# KiCad board OEM_ECU.kicad_pcb (continued)
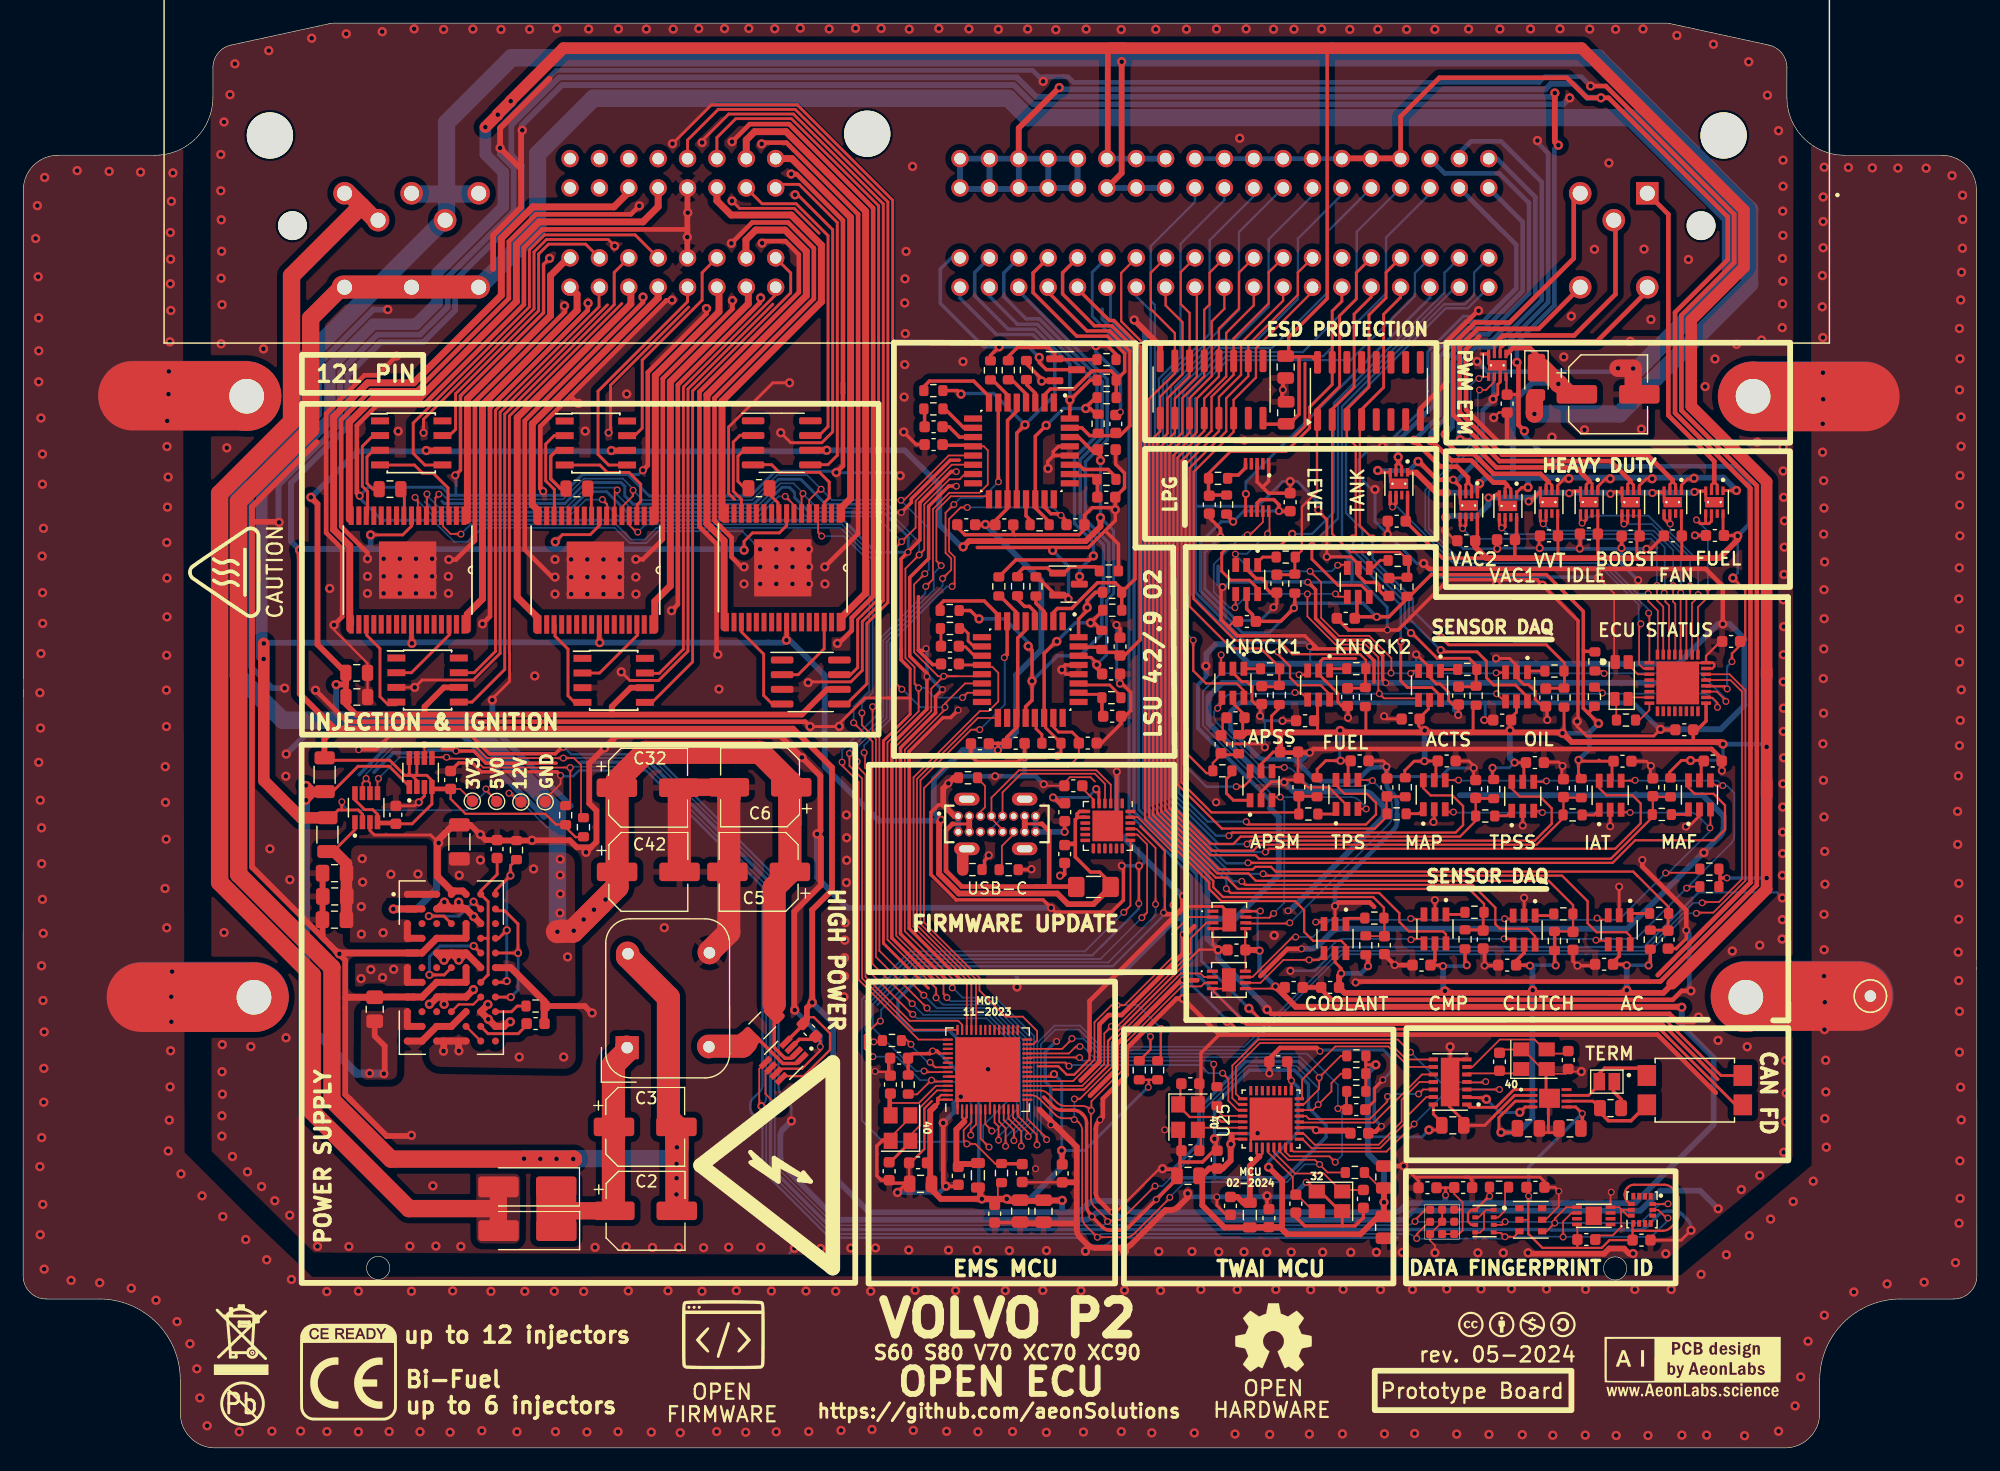
[diagram p0: board, top side]
## Routing (per net, layer and track width the routed paths; a pad name or vN(x,y) marks a point on that pad's centre or on a via; arc(x,y) is an arc through that point) (continued)
  Top w0.3: USB_PLYG_R2.2 83.13,50.24 83.13,50.82 83.5,51.19 v2(83.5,51.26) 83.59,51.26 83.52,51.19 ; v1(107.56,21.8) 107.56,20.8 107.71,20.65 ; v3(75.94,80.92) 76.8,81.78 76.8,82.08 80.16,85.44 80.94,85.44 ; 85.74,78.99 91.31,78.99 91.77,79.46 CJC15.1 91.77,80.67 92.44,81.33 94.27,81.33 v1(94.44,81.16) ; 85.74,78.99 85.62,79.11 CJC12.1 ; 85.74,78.99 81.44,78.99 80.93,79.5 80.93,79.85 ; FUEL_LPG_C1.1 102.57,80.48 103.53,79.51 v2(103.53,78.81) ; v3(80.7,84.45) 80.69,84.46 80.24,84.46 77.55,81.77 77.55,78.54 75.92,76.91 75.92,69.02 ; 82.5,77.89 92.11,77.89 94.44,80.21 v1(94.44,81.16) ; 46.58,60.6 46.03,60.05 40.31,60.05 38.81,61.54 31.64,61.54 30.49,60.39 v3(29.01,60.39) ; 87.31,19.41 87.03,19.41 86.96,19.48 S3P2_C1.2 ; 124.77,33.6 123.67,33.6 ; 75.92,69.02 75.92,68.18 76.5,67.59 ; 75.92,69.02 75.92,68.54 ; FUEL_LPG_C2.1 107.69,82.59 107.17,83.1 ; v2(138.21,77.84) 138.23,77.86 ETMDRV_C4.2 ; AC_C1.1 142.93,43.19 143.81,44.07 v2(143.81,44.77) ; 103.73,74.3 103.58,74.15 103.58,71.63 104.96,70.25 110.83,70.25 111.96,69.12 ; 116.81,66.21 116.81,68.1 115.8,69.12 111.45,69.12 v3(111.25,69.31) ; CLU_C3.1 134.02,42.09 v2(134.4,41.71) 135.81,41.71 AC_C2.1 ; CJC1.1 94.85,70.88 v2(94.54,71.19) ; 91.27,66.93 90.18,66.93 89.94,67.16 89.94,67.19 v1(89.82,67.31) 89.94,67.43 89.94,67.55 90.12,67.73 U28.29 ; 90.59,73.51 90.48,73.51 v2(90.39,73.42) 90.39,73.71 90.33,73.77 CJQ1.2 89.28,73.77 87.71,75.34 CJR2.1 ; v3(46.47,58.17) 46.17,58.48 39.62,58.48 38.85,59.25 37.66,59.25 INA1_C5.1 ; v1(59.09,98.56) 58.95,98.71 58.88,98.71 ; INA1.3 67.12,35.34 68.28,35.34 INA1_C1.1 ; v1(94.44,81.16) CJC14.1 95.17,82.98 95.17,82.98 95.24,83.05 95.24,84.32 94.47,85.09 CJC13.1 ; 79.89,22.67 79.8,22.76 v1(79.8,22.64) 79.92,22.64 79.92,22.63 81.09,22.63 ; 89.11,85.84 U12.28 ; 89.11,85.84 89.07,85.88 89.07,86.18 89.53,86.64 U12.29 ; 89.11,85.84 88.59,85.32 v1(88.62,84.71) 88.59,84.85 ; 126.37,42.88 v2(126.37,41.72) ; v2(126.37,41.72) 127.51,41.72 CLU_C4.1 ; v2(126.37,41.72) 126.37,43.08 CRA_C3.1 126.35,43.1 ; 93.56,79.34 94.71,78.19 CJR10.2 ; 144.61,78.94 144.56,78.99 v2(144.56,78.94) 144.61,78.94 ; 144.61,78.94 144.62,78.93 145.52,78.93 ; ETMDRV_C5.2 140.75,77.77 v2(140.37,77.77) ; 81.08,40.47 76.62,44.94 76.62,59.65 ; 107.17,83.1 107.7,83.63 U2.1 ; 107.17,83.1 106.7,83.57 U2.3 ; 76.62,59.65 76.62,59.39 ; 76.62,59.65 76.62,60.25 79.54,63.17 80.2,63.17 v3(80.85,63.82) ; 90.07,49.61 89.77,49.61 v2(89.66,49.5) 89.95,49.5 90.06,49.62 CHC1.2 ; 93.8,53.81 94.55,54.56 94.55,58.47 v2(94.57,58.49) ; 118.23,73.7 117.75,73.7 117.27,74.18 117.27,74.6 117,74.87 116.06,74.87 115.45,75.48 115.45,76.13 ; v1(45.52,102.9) 45,102.38 45,98.19 37.82,91.01 37.82,84.58 v2(37.37,84.13) ; 78.07,69.15 77.91,68.99 77.42,68.99 ; 74.69,26.62 74.33,26.62 73.82,26.11 73.82,23.54 74.2,23.16 S3_XTAL40_C1.2 74.88,23 74.86,22.98 ; v2(95,50.36) 95.14,50.22 95.14,47.38 94.11,46.35 89.25,46.35 v2(88.88,46.72) 88.2,47.41 80.68,47.41 78.5,49.59 78.5,54.97 79.15,55.62 79.56,55.62 ; USB_PLUG_R4.2 86.96,50.02 87,50.06 v2(87.19,50.06) 87.19,50.25 87.12,50.18 ; CJR18.1 86.75,93.78 87.97,92.56 87.97,92.34 ; 100.05,24.73 101.98,24.73 103.17,25.92 103.17,26.58 v1(103.01,26.73) ; 110.06,20.35 110.06,19.95 110.81,19.2 115.18,19.2 115.89,19.91 C3XTAL32_C1.2 ; 134.58,62.76 134.45,62.76 v1(134.37,62.84) 134.45,62.92 134.45,71.56 130.92,75.09 123.23,75.09 118.89,70.75 v3(117.96,70.75) 114.6,70.75 KNOCK2_C2.1 ; 79.19,67.76 78.65,67.76 77.42,68.99 ; CJR21.2 94.51,94.6 93.76,95.34 v1(92.76,95.34) ; v3(117.83,66.18) 117.56,66.45 117.56,68.54 116.24,69.87 113.63,69.87 111.76,71.74 111.76,74.24 111.08,74.92 ; 87.97,92.34 87.97,92.28 ; 87.97,92.34 88.61,92.34 88.62,92.35 ; v1(75.61,22.09) 76.35,22.83 76.39,22.83 ; KNOCK1_C1.1 107.86,73.98 107.47,74.37 107.47,74.86 107.13,75.2 106.61,75.2 105.8,76.01 KNOCK1_SENSE1.2 ; v1(76.14,87.88) 76.14,87.87 77.22,86.79 CJC16.1 ; v1(103.33,43.08) 103.34,43.07 INA1_C13.1 ; 77.42,68.99 77.42,73.64 ; 90.07,53.35 v2(90.06,53.29) 90.07,54.18 ; v3(80.7,83.19) 80.69,83.2 80.04,83.2 78.3,81.46 78.3,76.93 76.67,75.3 76.67,68.49 78.15,67 78.15,63.9 75.12,60.87 75.12,44.12 78.92,40.31 ; v1(98.52,24.15) 98.59,24.08 99.73,24.08 ; 100.05,27.26 100.05,23.77 99.78,23.5 ; ETMDRV_C9.2 118,79.04 v2(117.99,79.03) ; v3(94.88,89.6) 94.88,89.52 94.48,89.12 ; CJC5.1 94.85,66.28 95.77,65.36 95.77,63.77 95.29,63.29 CJC6.1 94.94,62.66 93.25,60.97 CJC7.1 ; 74.85,33.53 74.85,32.11 ; R6.2 46.46,82.99 45.61,83.83 45.61,85.77 46.14,86.29 U4.3 ; v3(79.49,65.6) 78.9,65.01 78.9,63.59 75.87,60.56 75.87,44.47 79.85,40.49 ; 134.58,78.06 134.6,78.04 v2(134.6,77.79) 134.64,77.83 134.64,78.87 ; 103.43,35.75 101.85,34.17 101.85,29.71 ; CJC3.1 86.6,59.95 86.59,59.94 v2(86.59,59.74) 86.39,59.74 85.98,59.33 82.49,59.33 81.96,59.87 81.96,60.92 ; 76.24,22.9 74.98,22.9 ; 36.24,60.47 37.25,60.47 v3(37.43,60.28) 38.97,60.28 40.02,59.23 46.09,59.23 ; 146.53,31.89 141.78,36.65 105.78,36.65 v3(105.46,36.96) ; C3P32_C1.1 99.78,23.28 v3(97.98,21.49) 95.61,19.12 arc(95.29,18.9) 94.91,18.82 94.01,18.82 arc(93.63,18.9) 93.31,19.12 v3(92.42,20) 92.42,20.08 92.25,20.25 arc(92.03,20.58) 91.96,20.96 91.96,28.09 arc(91.88,28.48) 91.66,28.8 91.54,28.92 arc(91.22,29.14) 90.84,29.21 89.8,29.21 arc(89.42,29.29) 89.1,29.51 88.25,30.35
  Top w0.35: 109.43,92.49 109.37,92.55 SP_C2.2 108.93,92.31 v2(108.93,91.53) 108.87,91.47 108.87,90.83 SP_C1.2
  Top w0.4: 70.89,91.27 70.89,106.18 66.87,110.2 v1(66.41,110.2) ; 70.89,91.27 70.89,84.96 v1(70.31,84.38) ; 70.89,91.27 70.89,92.12 ; 101.27,45.12 100.55,44.4 v3(100.31,44.4) 100.31,42.77 98.69,41.15 98.69,41.15 94.99,37.44 93.86,37.44 93.06,36.64 93.06,33.39 91.46,31.79 91.45,31.79 ; 125.9,96.14 124.77,95.01 124.77,89.81 127.57,87.01 131.57,87.01 ; 131.57,87.01 128.16,87.01 128.32,87.17 ETMDRV_C1.2 ; 131.57,87.01 131.83,87.01 132.2,87.38 v1(132.2,87.43) 132.25,87.43 132.16,87.34 ; v1(144.87,37.27) 144.43,36.83 143.07,36.83 142.36,37.55 107.93,37.55 v1(107.56,37.91) ; 68.15,62.5 v1(68.05,62.4) 67.64,62.82 28.01,62.82 v1(25.28,65.55) ; 47.33,90.98 47.95,90.36 v1(48.01,90.36) 48.03,90.33 ; 92.25,30.46 94.56,32.77 94.56,34.89 100.12,40.45 101.53,40.45 ; 146.36,30.72 141.33,35.75 103.43,35.75 v1(100.3,38.87) 99.74,38.87 95.41,34.54 95.41,32.25 93.36,30.2 93.36,28.62 v3(93.12,28.38) ; 100.24,46.67 98.97,45.4 ; 100.24,46.67 100.24,47.65 v2(100.3,47.71) ; 100.24,46.67 99.73,46.16 98.75,46.16 v3(98.61,46.3) ; 57.47,105.91 57.47,105.41 44.89,105.41 43.3,103.82 43.3,98.9 34.59,90.19 30.6,90.19 28.86,88.45 28.86,82.61 v2(29.1,82.36) ; SP2.8 120.82,89.91 123.12,92.21 123.12,95.7 125.79,98.37 v1(125.85,98.37) ; 48.82,99.04 v1(48.85,99.02) 48.82,98.41 40.37,89.96 40.37,71.93 v1(39.72,71.28) ; 117.73,42.64 118.61,41.76 CRA_C4.1 ; v2(143.81,44.77) 143.81,46.5 140.01,50.3 v2(140.01,50.85) ; v2(44.97,82.75) 44.71,83.01 44.71,88.36 55.63,99.27 56.1,99.27 v1(56.11,99.29) 56.06,99.27 56.08,99.27 ; v1(32.29,94.46) 30.62,92.79 29.52,92.79 26.2,89.47 26.2,79.16 27.58,77.78 27.58,71.89 v1(26.88,71.19) ; v2(113.44,46.87) 113.75,47.18 116.44,47.18 116.82,46.8 ; v1(63.86,112.8) 63.97,112.91 66,112.91 72.2,106.71 72.2,79.09 v1(69.32,76.21) ; v1(56.07,72.42) 56.61,72.97 56.61,91.96 63.71,99.06 v1(63.77,99.48) 63.71,99.37 ; 117.48,27.89 116.94,27.35 116.45,27.35 C3P11_C1.2 ; 108.85,60.28 108.99,60.14 v2(111.25,60.14) 111.57,60.46 146,60.46 146.88,59.59 MAF_C4.1 146.88,58.6 v2(146.89,58.58) ; v1(62.34,76.21) 62.11,76.21 61.26,77.06 61.26,78.74 59.78,80.22 59.78,90.82 68.38,99.41 68.38,103.78 66.15,106 63.04,106 v1(61.24,104.2) ; INA1_C2.1 112.24,39.83 112.24,39.68 113.16,38.76 142.64,38.76 143.42,39.54 v1(144.21,39.54) ; 136.24,76.04 145.47,76.04 146.97,74.54 v1(146.97,71.27) ; 136.24,76.04 136.24,75.27 v1(136.24,75.27) ; 136.24,76.04 121.57,76.04 v1(121.1,76.51) ; v1(59.09,98.56) 59.09,98.12 54.01,93.04 54.01,85 v2(53.59,84.57) ; v1(52.98,76.87) 53.59,76.87 55.31,78.59 55.31,92.5 61.33,98.52 v1(61.33,99.25) ; 107.76,32.25 C3P17_C1.2 107.76,33.67 108.69,34.6 111.85,34.6 v3(112.14,34.31) ; v1(79.8,22.64) 79.56,22.87 v1(79.56,28.11) ; 29.78,77.43 27.5,79.7 27.5,88.93 30.06,91.49 34.05,91.49 42,99.44 42,104.36 44.35,106.71 52.55,106.71 v1(53.28,107.44) ; 99.17,45.6 98.85,45.28 98.65,45.09 92.21,38.65 92.21,34.32 ; 46.85,98.96 46.85,98.83 v1(46.81,98.79) 46.85,98.75 46.85,98.28 39.07,90.49 39.07,78.49 37.42,76.84 v1(36.81,76.84) ; v1(135.54,117.81) 136.85,117.81 147.95,106.71 147.95,102.54 143.39,97.98 143.39,89.75 149.91,83.23 149.91,48.68 141.57,40.34 115.3,40.34 v2(115.22,40.26) ; v1(119.38,24.38) C3_C1.2 ; v1(70.41,69.59) 70.53,69.59 71.65,70.71 71.65,71.81 73.5,73.66 73.5,107.25 66.24,114.51 62.82,114.51 v1(61.3,112.99) ; v1(53.6,99.55) 53.6,99.09 43.37,88.86 43.37,77.7 45.74,75.33 v1(45.99,75.33) ; 106.98,40.81 109.34,43.17 v3(110.54,43.17) ; v1(63.9,104.22) 64.07,104.39 65.92,104.39 67.08,103.24 67.08,99.95 58.48,91.35 58.48,79.68 59.96,78.2 59.96,68.75 v1(60.07,68.64) ; v3(94.21,20.39) 94.04,20.39 93.05,21.38 arc(92.83,21.71) 92.76,22.09 92.76,27.6 arc(92.83,27.99) 93.05,28.31
  Top w0.5: 90.6,26.55 89.21,27.94 v3(88.86,27.94) ; 90.6,26.55 91.11,26.04 91.11,18.91 arc(91.18,18.53) 91.4,18.2 92.01,17.6 arc(92.33,17.38) 92.71,17.3 95.1,17.3 arc(95.48,17.38) 95.8,17.6 98.77,20.56 99.19,20.56 arc(99.57,20.64) 99.89,20.86 100.7,21.66 v1(100.7,22.01) ; 90.6,26.55 87.89,29.26 ; 57.63,108.49 57.67,108.53 57.63,108.57 ; 25.39,87 19.79,81.4 19.79,80.11 ; 66.73,37.86 v1(66.72,37.87) 66.68,37.91 66.68,46.38 68.98,48.68 68.98,52.78 v1(68.65,53.11) 68.94,53.4 68.94,58.13 66.32,60.74 ; 19.79,80.11 22.08,80.11 v1(22.13,80.06) ; 19.79,80.11 19.79,50.25 26.14,43.89 ; 33.5,26.98 33.56,26.98 v1(33.58,27.04) 33.44,26.98 31.44,26.98 28.21,30.21 ; 45.51,118.44 41.24,114.16 v1(41.24,112.45) 43.06,110.63 43.06,109.9 ; 91.11,19.43 91.08,19.41 86.28,19.41 ; SP1.8 98.32,95.32 v1(96.07,97.57) ; 26.14,43.89 26.49,43.54 ; 26.14,43.89 25.93,44.11 ; 49.1,51.95 49.57,52.42 49.57,55.13 48.95,55.75 48.95,59.23 51.02,61.29 ; 49.1,51.95 v1(48.67,51.52) ; 49.1,51.95 47.88,51.95 47.27,52.56 v1(44.01,52.56) 43.99,52.54 MPR8.2 41.02,52.54 40.98,52.58 40,52.58 39.54,53.03 v1(39.54,53.06) 39.51,53.06 38.68,53.9 LTM_C1.1 ; 57.44,106.82 57.44,108.86 ; LTM_C7.2 25.89,44.39 25.77,44.27 ; USB_PLUG_R3.2 80.49,57.97 79.56,57.04 79.56,55.62 80.53,54.66 80.85,54.66 ; 49.16,37.62 48.56,38.22 MPR7.2 ; 49.16,37.62 49.2,37.58 v1(49.2,37.62) 49.16,37.62 ; 26.49,43.54 27.3,42.74 v1(27.35,42.74) ; 26.49,43.54 27.85,42.19 27.85,30.57 28.21,30.21 ; 66.32,60.74 65.5,61.57 51.29,61.57 51.02,61.29 ; 66.32,60.74 v1(67.34,59.73) ; 43.06,109.9 43.06,107.33 40.64,104.91 40.64,101.99 ; 43.06,109.9 43.06,113.88 v1(43.16,113.98) ; 51.02,61.29 v1(50.28,60.55) ; 91.11,23.02 91.06,22.97 S3P20_C1.2 ; 91.11,19.69 91.11,19.06 ; 28.21,30.21 28.54,29.88 ; 57.43,102.88 v1(57.43,104.74) 57.43,106.81 ; v1(139.21,16.81) 138.86,16.81 138.43,17.24 137.15,17.24 136.7,16.8 130.22,16.8 v1(130.14,16.88)
  Top w0.6: 34.05,42.81 27.23,42.81 27.06,42.97 ; 34.05,42.81 U24.E2 U24.D3 ; 34.05,42.81 U24.E1 ; U24.H1 U24.H2 U24.G3 U24.G5 ; U24.F5 38.3,40.29 ; U24.L1 U24.L2 U24.K3 U24.K4 U24.J5 ; U24.F7 42.16,41.54 45.06,38.65 45.06,36.71 ; U24.B1 33.92,46.62 ; 33.92,46.62 32.29,46.62 32.3,46.61 v1(32.01,46.61) ; 33.92,46.62 U24.B2 ; 33.78,39 30.4,39 ; LTM_C3.2 27.94,38.98 27.9,38.94 ; 35.78,44.08 38.28,44.08 ; U24.A5 38.02,48.17 37.31,48.17 U24.A4 37.03,48.22 35.82,49.43 35.82,52.51 37.21,53.9 LTM_C1.1 ; 38.3,45.36 38.3,44.13
  Top w1.5: C6.2 56.78,57.15
  Top w2: 56.76,56.26 56.75,56.27 ; 56.74,50.19 56.74,56.62 ; 61.05,56.32 61.02,56.29 61.02,44.59 59.31,42.88
  Bottom w0.15: 35.43,80.24 37.29,78.39 38.46,78.39 39.66,79.59 51.15,79.59 52.46,78.28 53.89,78.28 54.9,79.29 62.18,79.29 v1(63.73,77.74) ; v2(29.1,82.36) 29.1,82.18
  Bottom w0.2: v2(107.37,60.6) 107.37,62.9 v2(106.96,63.31) ; 65.33,34.3 65.33,31.13 arc(65.39,30.85) 65.55,30.6 66.21,29.94 arc(66.37,29.7) 66.43,29.41 v1(66.43,28.28) ; 65.33,34.3 65.33,49.14 54.47,60 47.38,60 46.78,60.6 ; 65.33,34.3 65.33,34.99 ; v2(127.36,68.29) 127.36,67.83 ; 107.75,32.68 107.76,32.67 v2(107.76,32.4) ; 72.86,36.13 72.86,38.66 76.81,42.62 92.47,42.62 96.47,46.62 v3(96.47,47.09) ; v3(46.47,58.17) 46.54,58.1 47.56,58.1 48.06,58.6 53.87,58.6 63.93,48.54 63.93,33.13 ; 63.93,33.13 63.93,34.41 ; 63.93,33.13 63.93,31.36 arc(63.87,31.08) 63.71,30.83 63.1,30.22 arc(62.94,29.98) 62.88,29.69 62.88,29.35 arc(62.94,29.07) 63.1,28.82 63.71,28.21 arc(63.87,27.97) 63.93,27.68 63.93,24.4 arc(64.01,24.01) 64.22,23.69 69.44,18.48 arc(69.76,18.26) 70.14,18.18 91.21,18.18 arc(91.59,18.11) 91.91,17.89 92.02,17.79 arc(92.34,17.57) 92.72,17.49 93.25,17.49 arc(93.63,17.57) 93.95,17.79 94.06,17.89 arc(94.38,18.11) 94.76,18.18 118.87,18.18 ; 121.69,67.83 120.46,67.83 v2(120.46,68.63) ; v3(98.61,46.3) 98.61,46.05 94.23,41.67 77.21,41.67 73.87,38.33 ; v1(152.12,47.58) 151.65,48.05 144.88,48.05 140.16,43.33 113.76,43.33 111.7,41.27 v2(109.58,41.27) ; v3(111.25,69.31) 111.29,69.27 111.29,67.83 ; v2(127.46,77.78) 124.54,77.78 v2(122.94,79.38)
  Bottom w0.25: 51.95,84.2 53.22,84.2 v2(53.59,84.57) ; 51.95,84.2 48.36,84.2 46.56,82.4 37.42,82.4 ; 51.95,84.2 52.29,84.2 54.15,82.34 62.89,82.34 65.04,84.49 70.2,84.49 70.34,84.35 75.59,84.35 v1(75.84,84.1) ; v2(126.34,62.96) 126.42,63.04 126.42,64.44 126,64.44 ; 59.44,80.24 70.94,80.24 73.7,77.48 v3(76.51,77.48) 76.54,77.51 76.54,78.8 74.39,80.94 67.98,80.94 66.71,82.21 66.71,82.64 66.26,83.09 65.62,83.09 63.47,80.94 52.24,80.94 50.46,82.72 48.86,82.72 47.67,81.53 ; 59.44,80.24 59.87,80.24 ; 59.44,80.24 46.87,80.24 ; 131.39,64.38 131.33,64.44 ; 29.1,82.18 v2(29.1,82.36) 29.83,83.09 36.06,83.09 36.08,83.11 36.21,83.11 36.92,82.4 37.42,82.4 ; 29.1,82.18 29.48,81.8 ; 29.1,82.18 29.48,81.8 ; 66.28,16.84 v1(66.69,17.26) ; 128.64,44.9 128.65,44.91 ; 104.28,21.72 103.23,21.72 v3(103.22,21.71) ; v2(131.14,77.84) 127.52,77.84 v2(127.46,77.78) ; 47.67,81.53 47.08,80.94 35.65,80.94 34.77,81.82 ; 47.67,81.53 47.23,81.1 ; 29.48,81.8 31.04,80.24 ; 112.02,81.04 112.02,81.76 110.18,83.6 v1(109.56,83.6) 108.92,83.6 106.77,81.45 101.4,81.45 101.38,81.43 ; 37.42,82.4 37.42,84.08 v2(37.37,84.13) ; v2(94.54,71.19) 94.56,71.17 94.56,66.4 v2(94.84,66.12) ; 31.04,80.24 31.26,80.24 ; 31.04,80.24 46.87,80.24 ; v3(117.57,31.83) 118.29,32.55 118.29,33.76 117.63,34.42 112.25,34.42 v3(112.14,34.31) ; 106.9,64.44 107.06,64.28 107.06,63.41 v2(106.96,63.31) 107.38,62.89 v2(108.9,62.89) ; v2(124.09,63.4) 123.68,63.81 123.68,64.44 ; v3(111.08,74.89) 115.78,74.89 117.96,72.71 v3(117.96,70.75) ; 101.38,81.43 101.38,90.81 ; 101.38,81.43 101.38,73.99 105.69,69.68 110.88,69.68 v3(111.25,69.31) ; 27.93,17.43 27.94,17.44 ; v3(75.94,80.92) 75.4,80.92 74.68,81.64 69.39,81.64 67.24,83.79 65.33,83.79 63.18,81.64 52.73,81.64 52.03,82.34 52.03,83.18 51.71,83.5 48.65,83.5 46.85,81.7 36.4,81.7 36.22,81.88 ; 46.87,80.24 47.2,80.24 ; 131.82,63.05 131.82,64.39 ; v2(108.12,72.71) 106.98,71.57 104.93,71.57 102.18,74.32 102.18,77.46 v2(103.53,78.81) ; v1(125.85,98.37) 125.38,97.9 124.52,97.9 121.47,94.84 121.47,90.36 117.74,86.63 v1(117.54,86.63) 116.62,86.63 115.5,85.51 115.5,84.03 116.61,82.91 v1(116.89,82.91) 116.89,80.13 v2(117.99,79.03) 120.51,76.51 v1(121.1,76.51) ; 125.43,59.12 v2(125.43,58.81) 123.33,58.81 122.59,58.07 117.95,58.07 117.88,58.14
  Bottom w0.3: 105.8,74.92 111.05,74.92 v3(111.08,74.89) ; 105.8,74.92 104.35,74.92 103.73,74.3 103.33,74.7 103.33,76.27 ; 105.8,74.92 104.97,74.92 ; 93.31,98.51 93.31,97.64 96.06,94.9 96.06,55.02 101.46,49.62 101.46,41.01 105.46,37 v3(105.46,36.96) ; v2(140.37,77.77) 131.2,77.77 v2(131.14,77.84) ; 48.2,59.3 54.18,59.3 64.63,48.85 64.63,29.26 ; v1(83.44,32.75) 80.07,36.12 76.82,36.12 75.65,37.29 75.65,38.83 77.79,40.97 84.16,40.97 ; 64.63,29.26 64.63,28.34 ; 64.63,29.26 64.63,24.69 arc(64.71,24.3) 64.92,23.98 69.73,19.18 arc(70.05,18.96) 70.43,18.88 132.16,18.88 132.19,18.85 139.69,18.85 arc(140.07,18.93) 140.39,19.15 141.44,20.19 arc(141.76,20.41) 142.14,20.48 142.76,20.48 arc(143.14,20.41) 143.46,20.19 143.93,19.73 arc(144.14,19.4) 144.22,19.02 v1(144.22,18.82) ; 101.67,28.21 101.67,29.38 105.71,33.43 109.67,33.43 ; 101.67,28.21 101.67,26.34 99.48,24.15 v1(98.52,24.15) ; 101.67,28.21 101.67,28.85 ; v1(103.01,26.73) 103.01,23.38 103.02,23.37 ; v1(103.01,26.73) 103.46,27.18 106.85,27.18 ; v1(103.01,26.73) 103.01,29.66 106.03,32.68 109.92,32.68 111.14,31.45 111.14,29.43 112.66,27.91 112.66,26.89 109.13,23.37 99.79,23.37 97.98,21.57 v3(97.98,21.49) ; 31.65,60.83 31.22,60.39 v3(29.01,60.39) ; 31.65,60.83 31.78,60.95 ; 31.65,60.83 29.07,58.24 29.06,58.24 ; v2(95,50.36) 96.65,50.36 97.12,50.83 ; v1(136.24,75.27) 136.17,75.33 122.28,75.33 v1(121.1,76.51) ; v3(78.08,69.14) 78.15,69.07 v3(78.15,66.72) 78.34,66.72 79.4,65.66 ; 85.84,39.91 85.94,39.81 v1(85.94,39.87) 85.94,40.73 85.71,40.97 84.16,40.97 ; 88.86,28.09 88.86,31.2 88.38,31.68 88.38,34.24 89.29,35.15 ; 88.86,28.09 v3(88.86,27.94) ; 88.86,28.09 88.86,29.13 ; v2(138.21,77.84) 138.21,76.47 139.62,75.06 v2(139.65,75.06) ; v1(89.02,77.63) 90.39,76.26 v2(90.39,73.42) ; 114.9,74.92 114.9,76.56 114.38,77.08 v2(112.73,77.08) ; 100.3,45.73 99.77,45.73 95.01,40.97 84.16,40.97 ; v3(117.45,27.82) 116.84,28.44 116.84,31.1 v3(117.57,31.83) ; v3(94.88,89.6) 94.88,92.69 92.76,94.81 v1(92.76,95.34) ; 109.71,33.43 110.29,33.43 111.23,32.48 ; 30.33,58.44 32.01,60.12 34.8,60.12 35.03,60.34 37.37,60.34 v3(37.43,60.28)
  Bottom w0.35: 102.31,66.97 102.31,66.73 101.58,66 101.58,62.27 107.8,56.05 107.8,55.36
  Bottom w0.4: v1(88.2,118.21) 88.6,118.61 90.01,118.61 ; 86.53,58.1 86.59,58.16 v2(86.59,59.74) ; v1(79.56,28.11) 80.47,29.02 80.47,29.79 81.2,30.52 ; v2(111.25,60.14) 110.3,59.19 110.76,58.73 ; v1(41.24,112.45) 41.24,114.29 46.11,119.16 87.3,119.16 87.85,118.61 90.01,118.61 ; 79.71,22.73 v1(79.8,22.64) 79.25,22.09 v1(75.61,22.09) ; 110.76,58.73 110.2,59.28 arc(109.88,59.5) 109.5,59.57 107.39,59.57 arc(107.01,59.65) 106.69,59.87 104.4,62.15 104.4,63.67 105.17,64.44 139.22,64.44 141.5,62.16 v1(141.58,62.16) ; 110.76,58.73 111.51,57.97 arc(111.84,57.75) 112.22,57.68 114.89,57.68 arc(115.27,57.75) 115.6,57.97 116.23,58.6 arc(116.55,58.82) 116.93,58.89 117.85,58.89 v2(117.88,58.92) 117.88,57.54 arc(117.96,57.15) 118.17,56.83 118.51,56.5 arc(118.72,56.17) 118.8,55.79 118.8,54.83 ; v2(80.01,57.49) 80.62,58.1 v2(84.05,58.1) 87.56,58.1 v2(88.25,57.41) ; 106.37,21.71 107.47,21.71 v1(107.56,21.8) ; 106.37,21.71 101,21.71 v1(100.7,22.01) ; 106.37,21.71 109.68,21.71 v3(110.94,22.97) ; 118.8,54.83 118.8,54.49 ; 118.8,54.83 118.8,54.83 118.8,54.83 118.8,54.18 arc(118.73,53.8) 118.51,53.47 113.44,48.4 v2(113.44,46.87) ; v1(66.72,37.87) 68.93,35.66 v3(68.93,34.7) ; v1(135.54,117.81) 134.74,118.61 131.58,118.61 131.09,118.12 90.84,118.12 90.36,118.61 90.01,118.61 ; v2(143.81,44.77) 144.07,44.51 144.07,39.68 v1(144.21,39.54) ; v1(130.94,113.09) 130.94,112.92 131.86,112 131.86,99.09 128.58,95.81 128.58,94.85
  Bottom w0.5: v2(88.88,46.72) 71.27,46.72 68.65,49.34 v1(68.65,53.11) ; v3(110.54,43.17) 111.3,43.17 arc(111.68,43.25) 112.01,43.47 113.15,44.61 arc(113.48,44.83) 113.86,44.9 130.92,44.9 ; v1(107.56,37.91) 107.56,38.08 103.33,42.31 v1(103.33,43.08) 102.41,44.01 102.41,50.02 97.01,55.42 97.01,96.64 v1(96.07,97.57) ; 117.87,19.73 119.37,19.73 120.16,20.52 139.84,20.52 141.57,22.25 145.01,22.25 v1(146.57,20.69) ; 117.87,19.73 95.31,19.73 arc(95.02,19.79) 94.78,19.95 94.34,20.39 v3(94.21,20.39) 93.12,20.39 arc(92.83,20.34) 92.59,20.17 v3(92.42,20) 92.37,19.95 arc(92.13,19.79) 91.84,19.73 70.79,19.73 arc(70.4,19.81) 70.08,20.03 65.77,24.33 arc(65.56,24.66) 65.48,25.04 65.48,27.02 arc(65.54,27.31) 65.7,27.55 v1(66.43,28.28) ; 117.87,19.73 118.84,19.73 ; 47.35,55.54 40.57,62.32 v1(40.57,64.69) ; 22.97,84.2 22.08,83.31 22.08,80.11 v1(22.13,80.06) 22.13,80.04 22.02,80.15 ; 22.97,84.2 22.45,83.68 ; 22.97,84.2 27.4,88.63 27.4,93.06 30.65,96.3 34.32,96.3 36.7,98.68 36.7,101.27 41.14,105.71 ; 80.85,54.66 80.85,53.3 ; 127.48,44.9 128.26,44.9 ; 128.26,44.9 128.64,44.9 ; 128.26,44.9 130.92,44.9 ; v2(109.05,57.58) 109.86,56.78 115.93,56.78 arc(116.27,56.72) 116.57,56.55 117.47,55.65 arc(117.63,55.41) 117.69,55.12 117.69,55.05 arc(117.61,54.66) 117.4,54.34 109.52,46.46 v3(109.37,46.46) ; v2(109.05,57.58) 108.39,57.58 ; v2(109.05,57.58) 107.61,57.58 102.5,62.69 102.5,64.98 103.7,66.18 144.39,66.18 ; 41.14,105.71 42.42,106.99 42.42,110.72 41.24,111.9 v1(41.24,112.45) ; 41.14,105.71 40.22,104.79 ; 116.63,56.49 116.6,56.46 ; v1(31.53,98.47) 30.27,98.47 25.6,93.8 25.6,89.37 19.73,83.5 19.73,67.55 21.56,65.72 v1(22.61,65.72) ; v1(22.75,60.02) 24.44,61.71 37.92,61.71 45.05,54.59 ; 102.31,66.97 102.31,67.6 v1(102.28,67.63) 102.31,67.66 102.31,68.7 103.13,69.52 104.31,69.52 106,67.83 143.12,67.83 146.56,71.27 v1(146.97,71.27) 147.56,71.27 148.84,69.99 148.84,64.22 146.78,62.16 v1(141.58,62.16) ; 102.77,45.77 104.8,45.77 108.58,49.55 108.58,54.58 107.8,55.36 ; v2(94.57,58.49) 94.57,53.38 100.24,47.71 v2(100.3,47.71) v1(100.3,38.87) ; 133.75,116.81 133.73,116.79 v1(133.73,116.78) 133.72,116.78 133.16,116.22 87.34,116.22 85.66,117.91 46.62,117.91 43.16,114.44 v1(43.16,113.98) ; J3.A12 J3.B1 87.56,53.29 v2(90.06,53.29) ; 124.23,56.46 131.75,56.46 131.77,56.44 131.79,56.46 139.38,56.46 139.45,56.53 139.52,56.46 145.23,56.46 147.04,54.65 147.04,53.67 arc(146.96,53.28) 146.75,52.96 138.69,44.9 130.92,44.9
  Bottom w0.6: v1(32.01,46.61) 34.03,46.61 35.75,48.33 35.75,52.33 35.82,52.4 35.86,52.4 v1(35.93,52.33)
  vias: v1(17.09,111.89) v1(17.09,108.75) v1(17.13,106.24) v1(17.12,101.19) v1(17.12,95.51) v1(17.16,103.52) v1(17.2,98.9) v1(17.22,34.89) v1(17.2,32.54) v1(17.19,28.73) v1(17.19,26.97) v1(17.23,30.6) v1(17.37,114.7) v1(17.37,44.58) v1(17.61,86.51) v1(17.89,117.06) v1(18.1,25.21) v1(18.31,119.73) v1(19.4,23.88) v1(19.69,34.71) v1(20.62,22.61) v1(20.78,95.07) v1(21.24,120.87) v1(21.34,51.82) v1(21.76,21.38) v1(22.72,58.1) v1(22.73,35.48) v1(23.06,49.15) v1(23.05,20.13) v1(24.95,121.94) v1(25.45,17.43) v1(26.51,74.35) v1(27.94,122.32) v1(28.17,17.41) v1(29.78,76.92) v1(29.78,75.39) v1(29.78,73.92) v1(31.05,122.51) v1(31.17,76.92) v1(31.18,75.39) v1(31.17,73.92) v1(32.43,87.95) v1(32.57,76.92) v1(32.57,75.39) v1(32.57,73.92) v1(33.44,17.45) v1(33.81,122.76) v1(33.97,76.92) v1(33.97,75.39) v1(33.97,73.92) v1(35.36,76.92) v1(35.37,75.39) v1(35.36,73.92) v1(35.43,22.67) v1(35.69,17.46) v1(36.36,122.71) v1(36.77,75.39) v1(36.78,73.92) v1(37.85,17.43) v1(38.89,122.74) v1(41.32,122.71) v1(43.79,122.72) v1(44.24,66.78) v1(45.99,76.86) v1(45.99,73.86) v1(46.15,122.78) v1(47.39,76.86) v1(47.39,75.33) v1(47.39,73.86) v1(48.6,87.96) v1(48.78,76.86) v1(48.79,75.33) v1(48.78,73.86) v1(48.9,122.74) v1(49.45,17.35) v1(50.18,76.86) v1(50.19,75.33) v1(50.18,73.86) v1(51.47,122.75) v1(51.58,76.86) v1(51.58,75.33) v1(51.58,73.86) v1(52.19,91.17) v1(52.14,17.4) v1(52.98,75.33) v1(52.99,73.86) v1(53.89,122.74) v1(54.42,17.34) v1(55.44,45) v1(56.21,122.74) v1(56.69,17.35) v1(57.47,106.85) v1(58.42,122.78) v1(58.84,17.32) v1(60.17,65.64) v1(60.65,122.78) v1(61.01,17.36) v1(62.33,74.74) v1(62.75,122.79) v1(63.73,74.74) v1(63.73,76.21) v1(63.78,17.36) v1(64.99,122.77) v1(65.13,77.74) v1(65.13,76.21) v1(65.13,74.74) v1(66.52,77.74) v1(66.53,76.21) v1(66.52,74.74) v1(67.2,122.82) v1(67.92,77.74) v1(67.92,76.21) v1(67.92,74.74) v1(68.96,17.25) v1(69.33,74.74) v1(69.7,122.75) v1(70.57,62.41) v1(71.02,40.8) v1(70.97,39.02) v1(71.08,45.43) v1(71.05,43.92) v1(71.03,42.4) v1(71.19,54.75) v1(71.21,52.78) v1(71.21,50.83) v1(71.19,48.9) v1(71.57,17.29) v1(71.98,122.81) v1(73.7,17.3) v1(74.19,122.8) v1(76.23,99.04) v1(76.23,93.71) v1(76.18,90.9) v1(76.25,101.13) v1(76.28,96.39) v1(76.35,103.5) v1(76.62,122.73) v1(76.58,17.12) v1(76.91,110.85) v1(79.18,122.79) v1(80.02,17.11) v1(81.08,30.38) v1(81.27,93.97) v1(81.78,122.75) v1(82.49,17.1) v1(84.33,122.72) v1(85.28,17.07) v1(86.86,122.74) v1(88.07,92.28) v1(88.49,17.07) v1(89.3,122.69) v1(91.92,122.74) v1(91.86,17.02) v1(94.95,122.7) v1(95.23,17.04) v1(97.94,122.72) v1(98.2,16.99) v1(100.59,122.73) v1(101.07,16.99) v1(103.19,122.75) v1(103.38,16.96) v1(105.2,113.29) v1(105.57,16.96) v1(105.75,122.76) v1(107.53,16.93) v1(108.12,122.73) v1(108.18,44.33) v1(109.65,16.94) v1(109.89,122.73) v1(112.28,122.74) v1(112.37,16.93) v1(114.72,122.71) v1(114.8,16.92) v1(117.02,16.93) v1(117.14,122.72) v1(119.25,16.91) v1(119.63,122.71) v1(122.07,122.71) v1(124.99,122.74) v1(125.79,16.88) v1(127.4,74.69) v1(127.69,122.74) v1(127.99,16.88) v1(130.34,122.75) v1(131.37,74.63) v1(132.89,122.76) v1(133.87,97.9) v1(135.46,122.74) v1(135.87,103.68) v1(137.12,111.15) v1(137.7,122.72) v1(140.07,122.75) v1(140.16,103.7) v1(140.75,97.61) v1(142.04,16.79) v1(143,122.18) v1(144,102.8) v1(145.33,51.49) v1(145.44,91.81) v1(146.16,121.42) v1(146.29,94.2) v1(146.56,35.25) v1(147.79,42.98) v1(148.16,95.46) v1(148.57,22.35) v1(149.08,34.7) v1(149.21,119.9) v1(149.95,87) v1(150.16,43.48) v1(150.17,23.57) v1(150.32,95.83) v1(150.83,117.01) v1(151.79,113.94) v1(152.13,102.9) v1(152.11,96.91) v1(152.12,49.53) v1(152.12,45.7) v1(152.1,44.02) v1(152.18,111.4) v1(152.18,109.14) v1(152.15,106.99) v1(152.17,104.89) v1(152.17,100.93) v1(152.14,98.96) v1(152.19,86.55) v1(152.19,84.51) v1(152.2,73.37) v1(152.21,68.62) v1(152.2,66.27) v1(152.22,63.99) v1(152.21,61.98) v1(152.17,57.45) v1(152.16,55.44) v1(152.14,53.27) v1(152.14,51.42) v1(152.24,82.23) v1(152.3,80.2) v1(152.29,77.92) v1(152.26,75.56) v1(152.24,71.05) v1(152.24,59.7) v1(152.24,25.57) v1(152.4,33.52) v1(152.41,28.21) v1(152.45,30.69) v2(34.21,55.84) v2(103.16,55.84) v2(103.71,74.46) v2(111.99,81.13) v2(114.56,63.16) v2(118.6,41.77) v2(121.95,54.14) v2(122.07,47.38) v2(129.67,53.84) v2(131.79,62.97) v3(46.7,60.61) v3(73.67,32.57) v3(87.54,24.15) v3(89.36,35.16) v3(98.71,27.51) v3(100.29,40.49) v3(137.32,22.12)
